# Altium PCB 400118.PcbDoc (part 2 of 3) (continued)
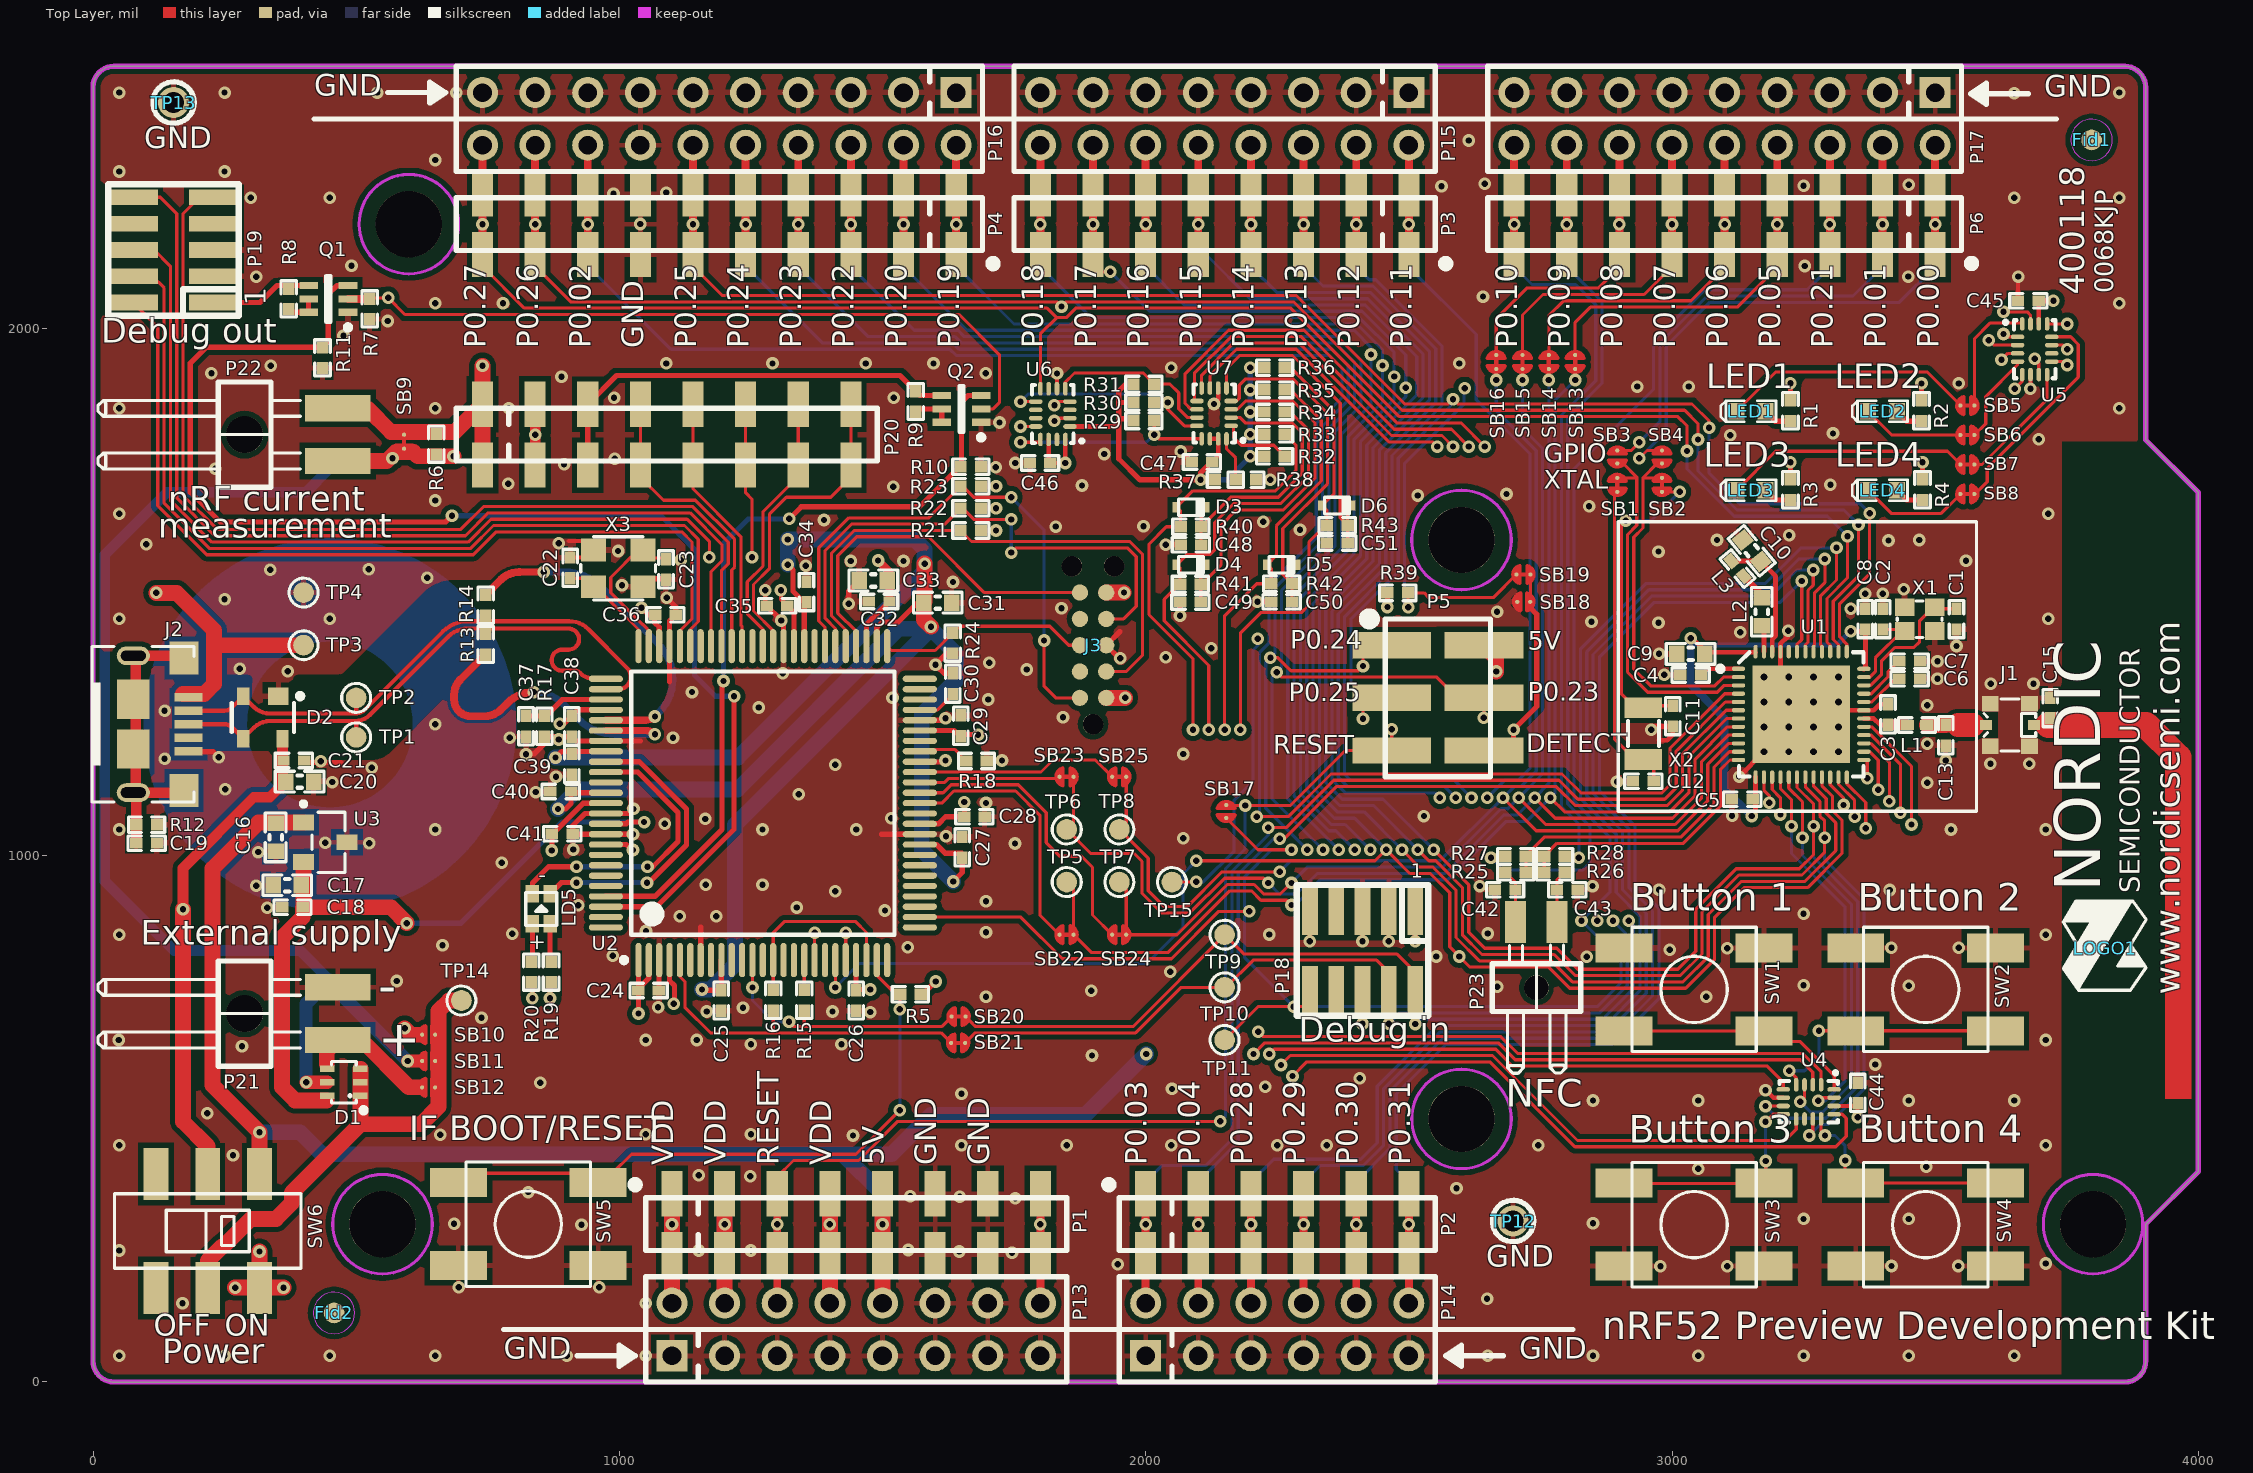
[diagram p0: Top Layer view]
## Nets (pads, with @x,y where several pads share a name; then routed paths per layer and width w, separated by ;. In a path a pad name is that pad's centre, name@x,y a point inside that pad or via, vN(x,y) a via of type N, cw(c..) or ccw(c..) an arc to the next point about the centre after c; other vN are vias at no path point) (continued)
NetC37_2: C37.2 R17.2 U2.78 | length 161.7
  Top Layer w10: C37.2@825.14,1264.75 860.14,1264.75 891.31,1295.92 U2.78@973.91,1295.92
NetD1_1: D1.1 D1.2 D1.3 SB10.1 SB11.1 SB12.1 SW6.2 TP14.1 | length 961.6
  Top Layer w30: SW6.2@217.54,177.8 217.54,229.46 245.05,256.97 247.44,256.97 299.54,309.06 346.97,309.06 377.12,339.22 377.12,358.65 507.54,489.06 ; D1.3@507.54,594.25 D1.2@507.54,568.66 D1.1@507.54,543.07 507.54,489.06 ; TP14.1@699.54,724.06 675.74,724.06 655.74,704.06 655.74,522.26 622.54,489.06 507.54,489.06
NetD1_4: D1.4 P21.2 SB12.2 | length 245.5
  Top Layer w30: 443.54,603.06 443.54,628.06 P21.2@464.54,649.06 509.54,649.06 599.54,559.06 618.07,559.06
NetD3_1: D3.1 R33.1 R40.2 U4.1 | length 2593.1
  Top Layer w6: v1(2089.54,1238.46) 2089.54,1373.54 2005.84,1457.24 2005.84,1591.24 2038.83,1624.23 2065.83,1624.23 2065.84,1653.59 D3.1@2058.19,1661.24 2089.19,1692.24 2246.16,1692.24 2285.16,1731.24 2285.16,1779.09 R33.1@2264.16,1800.09 ; v1(2213.54,664.46) 2222.54,655.46 2674.48,655.46 2706.48,623.46 3248.23,623.46 3282.82,588.87 U4.1@3282.82,563.95
  Mid-Layer 2 w6: v1(2089.54,1238.46) 2116.54,1211.46 2116.54,864.32 2222.54,758.32 2222.54,673.46 v1(2213.54,664.46)
NetD4_1: D4.1 R34.1 R41.2 U4.5 | length 2544.7
  Top Layer w6: R41.2@2064.29,1515.54 2034.84,1486.09 2034.84,1445.24 2119.54,1360.54 v1(2119.54,1238.46) ; R41.2@2064.93,1515.24 2064.93,1545.59 D4.1@2058.28,1552.24 2077.28,1571.24 2121.84,1571.24 2130.84,1580.24 2130.84,1632.24 2166.84,1668.24 2256.36,1668.24 2309.16,1721.03 2309.16,1807.42 2274.49,1842.09 R34.1@2264.16,1842.09 ; v1(2234.54,622.46) 2243.54,631.46 2664.54,631.46 2696.54,599.46 3180.55,599.46 3210.97,569.05 U4.5@3210.97,555.09
  Mid-Layer 2 w6: v1(2119.54,1238.46) 2128.54,1229.46 2128.54,869.29 2234.54,763.29 v1(2234.54,622.46)
NetD5_1: D5.1 R35.1 R42.2 U4.9 | length 2550.3
  Top Layer w6: v1(2149.54,1238.46) 2149.54,1455.16 2210.31,1515.93 R42.2@2238.16,1515.93 2238.16,1544.36 D5.1@2230.28,1552.24 2247.84,1569.8 2247.84,1625.78 2333.16,1711.09 2333.16,1826.21 2275.28,1884.09 R35.1@2264.16,1884.09 ; v1(2256.54,601.46) 2274.54,619.46 2658.54,619.46 2819.9,458.1 3214.55,458.1 3235.58,479.12 U4.9@3235.58,498.98
  Mid-Layer 2 w6: v1(2149.54,1238.46) 2140.54,1229.46 2140.54,874.26 2246.54,768.26 2246.54,640.29 2256.54,630.29 v1(2256.54,601.46)
NetD6_1: D6.1 R36.1 R43.2 U4.13 | length 2776.6
  Top Layer w6: v1(2179.54,1238.46) 2179.54,1422.16 2218.31,1460.93 2295.31,1460.93 2309.84,1475.46 2309.84,1595.46 R43.2@2340.84,1626.46 ; R36.1@2264.16,1926.09 2275.28,1926.09 2357.16,1844.21 2357.16,1686.34 D6.1@2335.28,1664.46 2343.93,1655.82 R43.2@2343.93,1627.16 ; v1(2278.54,580.46) 2305.54,607.46 2653.56,607.46 2814.93,446.1 3310.55,446.1 3330.55,466.1 3330.55,500.1 3322.8,507.84 U4.13@3307.43,507.84
  Mid-Layer 2 w6: v1(2179.54,1238.46) 2152.54,1211.46 2152.54,879.23 2258.54,773.23 2258.54,645.26 2278.54,625.26 v1(2278.54,580.46)
NetL2_1: L2.1 L3.2 | length 55.2
  Top Layer w11: L3.2@3136.05,1530.3 3170,1496.34 L2.1@3170,1489.2
NetL2_2: L2.2 U1.47 | length 42.4
  Top Layer w9: U1.47@3174.13,1386.72 L2.2@3174.13,1429.16
NetLD5_1: LD5.1 R20.1 | length 71.8
  Top Layer w10: R20.1@834.41,797.75 LD5.1@834.41,869.52
NetLD5_2: LD5.2 R19.1 | length 71.8
  Top Layer w10: R19.1@867.87,797.75 LD5.2@867.87,869.52
NetLED1_1: LED1.1 SB5.2 | length 483.5
  Top Layer w6: LED1.1@3122.04,1843.46 3197.04,1918.46 3483.94,1918.46 SB5.2@3547.94,1854.46
NetLED1_2: LED1.2 R1.1 | length 55.2
  Top Layer w10: LED1.2@3177.04,1843.46 3195.73,1824.77 R1.1@3224.54,1824.77
NetLED2_1: LED2.1 SB6.2 | length 194.3
  Top Layer w6: LED2.1@3371.79,1843.46 3416.79,1798.46 SB6.2@3547.44,1798.46
NetLED2_2: LED2.2 R2.1 | length 54
  Top Layer w10: LED2.2@3426.79,1843.46 3445.47,1824.78 R2.1@3473.04,1824.78
NetLED3_1: LED3.1 SB7.2 | length 467.6
  Top Layer w6: LED3.1@3121.29,1692.46 3196.29,1767.46 3522.44,1767.46 ; 3522.94,1767.46 SB7.2@3547.94,1742.46
NetLED3_2: LED3.2 R3.1 | length 55
  Top Layer w10: LED3.2@3176.79,1693.46 3195.47,1674.78 R3.1@3224.04,1674.78
NetLED4_1: LED4.1 SB8.2 | length 208.9
  Top Layer w6: LED4.1@3372.04,1693.46 3416.04,1649.46 3510.44,1649.46 ; 3510.94,1649.46 SB8.2@3547.94,1686.46
NetLED4_2: LED4.2 R4.1 | length 55.7
  Top Layer w10: LED4.2@3427.04,1693.46 3445.72,1674.78 R4.1@3475.04,1674.78
NetP5_6: P5.6 P11.6 SB18.2 SB19.1 | length 396.7
  Top Layer w6: SB18.2@2730.54,1478.86 2730.54,1495.05 SB19.1@2730.54,1533.46
  Top Layer w10: P5.6@2698.54,1201.06 v1(2698.54,1238.46) 2742.54,1282.46 2742.54,1457.76 2731.54,1468.76 2731.54,1477.86 2735.14,1481.46
  Bottom Layer w10: P11.6@2698.54,1201.06 v1(2698.54,1238.46)
NetQ1_5: Q1.5 Q1.6 R8.2 | length 65.6
  Top Layer w10: R8.2@371.54,2037.38 377.44,2031.47 Q1.6@409.13,2031.47 Q1.5@409.13,2057.06
NetQ2_5: Q2.5 Q2.6 R9.2 | length 77.5
  Top Layer w10: R9.2@1562.54,1842.38 1568.22,1848.06 Q2.5@1612.13,1848.06 Q2.6@1612.13,1822.47
NetR18_2: R18.2 U2.43 | length 98.7
  Top Layer w6: U2.43@1570.37,1197.49 1573.94,1201.07 1636.46,1201.07 R18.2@1658.46,1179.07
NetR32_1: R32.1 U7.1 | length 135.8
  Top Layer w6: U7.1@2166.42,1816.09 2166.42,1794.13 2181.47,1779.09 2243.14,1779.09 R32.1@2264.16,1758.09 R32.1@2265.31,1758.09
NetR37_1: R37.1 R38.2 U7.16 | length 85.2
  Top Layer w6: U7.16@2153.09,1791.24 2153.09,1772.46 2170.53,1755.03 R37.1@2170.53,1713.24
NFC1: C42.1 P23.1 R25.1 | length 102.7
  Top Layer w6: R25.1@2682.85,968.46 2702.22,949.09 C42.1@2702.22,934.46 P23.1@2702.22,873.78
NFC2: C43.2 P23.2 R26.1 | length 100.9
  Top Layer w6: P23.2@2780.85,873.89 C43.2@2780.85,934.46 2780.85,953.09 R26.1@2796.22,968.46
OB_LED1: LD5.4 U2.84 | length 556.7
  Top Layer w10: LD5.4@867.87,926.61 889.33,948.07 v1(918.14,948.07) ; U2.84@973.91,1177.81 1037.4,1177.81 1127.14,1088.07 1127.14,1019.54 1055.67,948.07 v1(1052.14,948.07)
  Bottom Layer w10: v1(918.14,948.07) v1(1052.14,948.07)
OB_LED2: LD5.3 U2.85 | length 554.4
  Top Layer w10: LD5.3@834.41,926.61 834.41,947.33 865.14,978.07 v1(918.14,978.07) ; U2.85@973.91,1158.12 1034.46,1158.12 1111.14,1081.44 1111.14,1026.17 1063.04,978.07 v1(1053.14,978.07)
  Bottom Layer w10: v1(918.14,978.07) v1(1053.14,978.07)
P0.00: P6.1 P12.1 P17.2 SB4.2 | length 1202.7
  Top Layer w6: v1(2937.54,1754.46) 2952.14,1769.06 SB4.2@2980.54,1769.06
  Top Layer w15: P6.1@3499.54,2141.39 v1(3499.54,2199.07) P6.1@3499.54,2256.74 P17.2@3499.54,2349.07
  Bottom Layer w6: v1(2937.54,1754.46) 2988.54,1805.46 2988.54,1967.46 3071.54,2050.46 3431.54,2050.46 3499.54,2118.46 P12.1@3499.54,2141.39
  Bottom Layer w15: P12.1@3499.54,2141.39 v1(3499.54,2199.07) P12.1@3499.54,2256.74
P0.01: P6.2 P12.2 P17.4 SB3.2 | length 1081.9
  Top Layer w6: SB3.2@2895.54,1769.06 2922.14,1769.06 v1(2937.54,1784.46)
  Top Layer w15: P6.2@3399.54,2141.39 v1(3399.54,2199.07) P6.2@3399.54,2256.74 P17.4@3399.54,2349.07
  Bottom Layer w6: v1(2937.54,1784.46) 2976.54,1823.46 2976.54,1972.44 3066.56,2062.46 3343.54,2062.46 3399.54,2118.46 P12.2@3399.54,2141.39
  Bottom Layer w15: P12.2@3399.54,2141.39 v1(3399.54,2199.07) P12.2@3399.54,2256.74
P0.02: P4.8 P10.8 P16.16 U1.4 | length 3882.3
  Top Layer w6: v1(2210.54,1073.46) 2270.66,1073.46 2351.66,1154.46 2790.54,1154.46 2826.54,1118.46 2980.54,1118.46 2995.54,1133.46 2995.54,1202.77 3099.76,1306.99 U1.4@3125.91,1306.99
  Top Layer w15: P4.8@939.54,2141.39 v1(939.54,2199.07) P4.8@939.54,2256.74 P16.16@939.54,2349.06
  Bottom Layer w6: P10.8@939.54,2141.39 939.54,2119.46 1097.53,1961.46 1627.59,1961.46 1639.59,1949.46 2348.62,1949.46 2372.54,1925.55 2372.54,1869.54 2323.54,1820.54 2323.54,1603.11 2233.54,1513.11 2233.54,1402.46 2215.54,1384.46 2215.54,1078.46 v1(2210.54,1073.46)
  Bottom Layer w15: P10.8@939.54,2119.06 v1(939.54,2199.07) P10.8@939.54,2256.74
P0.03: P2.1 P8.1 P14.2 U1.5 | length 2226.9
  Top Layer w6: v1(2232.54,1052.46) 2266.63,1052.46 2356.63,1142.46 2784.76,1142.46 2820.76,1106.46 2985.54,1106.46 3007.54,1128.46 3007.54,1197.77 3101.02,1291.25 U1.5@3125.91,1291.25
  Top Layer w15: P14.2@1999.54,149.06 P2.1@1999.54,241.39 v1(1999.54,299.07) P2.1@1999.54,356.74
  Bottom Layer w6: P8.1@1999.54,380.07 2029.76,410.29 2113.36,410.29 2163.54,460.46 2163.54,969.46 2232.54,1038.46 v1(2232.54,1052.46)
  Bottom Layer w15: P8.1@1999.54,241.39 v1(1999.54,299.07) P8.1@1999.54,380.07
P0.04: P2.2 P8.2 P14.4 U1.6 | length 2111.9
  Top Layer w6: v1(2254.54,1031.46) 2262.6,1031.46 2361.6,1130.46 2779.76,1130.46 2815.76,1094.46 2990.54,1094.46 3019.54,1123.46 3019.54,1192.77 3102.27,1275.5 U1.6@3125.91,1275.5
  Top Layer w15: P14.4@2099.54,149.06 P2.2@2099.54,241.39 v1(2099.54,299.07) P2.2@2099.54,356.74
  Bottom Layer w6: P8.2@2099.54,356.74 2099.54,379.46 2175.54,455.46 2175.54,964.49 2242.51,1031.46 v1(2254.54,1031.46)
  Bottom Layer w15: P8.2@2099.54,241.39 v1(2099.54,299.07) P8.2@2099.54,356.74
P0.05: SB13.2 SB22.1 TP5.1 U1.7 | length 2467.4
  Top Layer w6: TP5.1@1862.54,936.06 SB22.1@1862.54,849.06 1896.14,815.46 2042.54,815.46 2159.47,932.4 2200.6,932.4 2218.54,914.46 2267.54,914.46 v1(2276.54,905.46) ; v1(2768.54,1109.46) 2795.54,1082.46 2995.54,1082.46 3031.54,1118.46 3031.54,1187.65 3103.64,1259.75 U1.7@3125.91,1259.75 ; v1(2815.54,1902.86) SB13.2@2815.54,1923.86
  Bottom Layer w6: v1(2276.54,905.46) 2283.54,905.46 2331.54,953.46 2573.54,953.46 2684.54,1064.46 2723.54,1064.46 v1(2768.54,1109.46) 2777.54,1118.46 2777.54,1864.86 v1(2815.54,1902.86)
P0.05_C: P6.4 P12.4 P17.8 SB13.1 | length 826.8
  Top Layer w6: SB13.1@2815.54,1950.46 2815.54,2012.46 2844.54,2041.46 3123.54,2041.46 3199.54,2117.46 P6.4@3199.54,2141.39
  Top Layer w15: P6.4@3199.54,2151.06 v1(3199.54,2199.07) P6.4@3199.54,2256.74 P17.8@3199.54,2349.07
  Bottom Layer w15: P12.4@3199.54,2141.39 v1(3199.54,2199.07) P12.4@3199.54,2256.74
P0.06: SB14.2 SB23.1 TP6.1 U1.8 | length 2534.5
  Top Layer w6: TP6.1@1849.54,1049.06 1895.14,1003.46 1977.54,1003.46 1992.54,988.46 1992.54,927.49 2029.56,890.46 2083.51,890.46 2149.51,956.46 2223.54,956.46 v1(2232.54,947.46) ; TP6.1@1862.54,1062.06 SB23.1@1862.54,1149.06 ; v1(2738.54,1109.46) 2777.54,1070.46 3000.54,1070.46 3043.54,1113.46 3043.54,1182.68 3104.86,1244 U1.8@3125.91,1244 ; v1(2765.54,1902.86) SB14.2@2765.54,1923.86
  Bottom Layer w6: v1(2232.54,947.46) 2253.54,926.46 2286.21,926.46 2325.21,965.46 2568.56,965.46 2679.56,1076.46 2705.54,1076.46 v1(2738.54,1109.46) 2765.54,1136.46 v1(2765.54,1902.86)
P0.06_C: P6.5 P12.5 P17.10 SB14.1 | length 794.1
  Top Layer w6: SB14.1@2765.54,1950.46 2765.54,2025.46 2793.54,2053.46 3035.54,2053.46 3099.54,2117.46 P6.5@3099.54,2141.39
  Top Layer w15: P6.5@3099.54,2141.39 v1(3099.54,2199.07) P6.5@3099.54,2256.74 P17.10@3099.54,2349.07
  Bottom Layer w15: P12.5@3099.54,2141.39 v1(3099.54,2199.07) P12.5@3099.54,2256.74
P0.07: SB15.2 SB24.1 TP7.1 U1.9 | length 2353.9
  Top Layer w6: TP7.1@1962.54,936.06 SB24.1@1962.54,849.06 2059.14,849.06 2154.49,944.42 2205.58,944.42 2223.54,926.46 2255.54,926.46 v1(2276.54,947.46) ; v1(2708.54,1109.46) 2759.54,1058.46 3005.54,1058.46 3055.54,1108.46 3055.54,1177.71 3106.08,1228.25 U1.9@3125.91,1228.25 ; v1(2715.54,1902.86) SB15.2@2715.54,1923.86
  Bottom Layer w6: v1(2276.54,947.46) 2306.54,977.46 2563.59,977.46 2674.63,1088.5 2687.54,1088.46 v1(2708.54,1109.46) 2753.54,1154.46 2753.54,1773.46 2715.54,1811.46 v1(2715.54,1902.86)
P0.07_C: P6.6 P12.6 P17.12 SB15.1 | length 736.4
  Top Layer w6: SB15.1@2715.54,1950.46 2715.54,2026.46 2754.54,2065.46 2946.54,2065.46 2999.54,2118.46 P6.6@2999.54,2141.39
  Top Layer w15: P6.6@2999.54,2149.06 v1(2999.54,2199.07) P6.6@2999.54,2256.74 P17.12@2999.54,2349.07
  Bottom Layer w15: P12.6@2999.54,2141.39 v1(2999.54,2199.07) P12.6@2999.54,2256.74
P0.08: SB16.2 SB25.1 TP8.1 U1.10 | length 2460.7
  Top Layer w6: TP8.1@1949.29,1049.31 TP8.1@1949.54,1049.06 2004.54,994.06 2004.54,932.46 2034.54,902.46 2078.54,902.46 2144.54,968.46 v1(2254.54,968.46) ; TP8.1@1962.54,1062.56 SB25.1@1962.54,1149.06 ; v1(2665.54,1902.86) SB16.2@2665.54,1923.86 ; v1(2678.54,1109.46) 2741.54,1046.46 3010.54,1046.46 3067.54,1103.46 3067.54,1172.74 3107.3,1212.51 U1.10@3125.91,1212.51
  Bottom Layer w6: v1(2254.54,968.46) 2275.54,989.46 2558.62,989.46 v1@2678.58,1109.42 ; v1(2665.54,1902.86) 2665.54,1844.46 2741.54,1768.46 2741.54,1159.79 2712.21,1130.46 2699.54,1130.46 v1(2678.54,1109.46)
P0.08_C: P6.7 P12.7 P17.14 SB16.1 | length 678.9
  Top Layer w6: SB16.1@2665.54,1950.46 2665.54,2019.46 2723.54,2077.46 2859.54,2077.46 2899.54,2117.46 P6.7@2899.54,2141.39
  Top Layer w15: P6.7@2899.54,2153.06 v1(2899.54,2199.07) P6.7@2899.54,2256.74 P17.14@2899.54,2349.07
  Bottom Layer w15: P12.7@2899.54,2141.39 v1(2899.54,2199.07) P12.7@2899.54,2256.74
P0.09: P6.8 P12.8 P17.16 R27.1 | length 1782.3
  Top Layer w6: v1(2655.54,995.46) R27.1@2683.38,995.46
  Top Layer w15: P6.8@2799.54,2141.39 v1(2799.54,2199.07) P6.8@2799.54,2256.74 P17.16@2799.54,2349.07
  Bottom Layer w6: v1(2655.54,995.46) 2679.28,971.72 2829.66,971.72 2843.54,985.6 2843.54,1055.46 2801.54,1097.46 2801.54,1831.48 2866.54,1896.49 2866.54,2051.46 2799.54,2118.46 P12.8@2799.54,2141.39
  Bottom Layer w15: P12.8@2799.54,2141.39 v1(2799.54,2199.07) P12.8@2799.54,2256.74
P0.09/NFC1: R25.2 R27.2 U1.11 | length 557.8
  Top Layer w6: R25.2@2722.22,968.46 2722.22,1000.15 2756.54,1034.46 3016.21,1034.46 3079.54,1097.79 3079.54,1167.77 3108.53,1196.76 U1.11@3125.91,1196.76
P0.10: P6.9 P12.9 P17.18 R28.1 | length 1668.5
  Top Layer w6: R28.1@2799.22,995.46 v1(2822.54,995.46)
  Top Layer w15: P6.9@2699.54,2141.39 v1(2699.54,2199.07) P6.9@2699.54,2256.74 P17.18@2699.54,2349.07
  Bottom Layer w6: 2789.54,1836.45 2789.54,1092.46 2822.54,1059.46 v1(2822.54,995.46) ; 2789.54,1836.46 2854.54,1901.46 2854.54,2046.29 2816.36,2084.46 2733.54,2084.46 P12.9@2699.54,2118.46 ; P12.9@2699.54,2118.46 P12.9@2699.54,2141.39 P12.9@2699.54,2118.46
  Bottom Layer w15: P12.9@2699.54,2141.39 v1(2699.54,2199.07) P12.9@2699.54,2256.74
P0.10/NFC2: R26.2 R28.2 U1.12 | length 515.7
  Top Layer w6: R26.2@2756.85,968.46 2756.85,998.46 2780.85,1022.46 3021.18,1022.46 3091.54,1092.82 3091.54,1162.8 3109.75,1181.01 U1.12@3125.91,1181.01
P0.11: P3.1 P9.1 P15.2 U1.14 | length 2146.5
  Top Layer w6: U1.14@3174.13,1148.53 3174.13,1123.73 3184.54,1113.33 v1(3184.54,1099.49)
  Top Layer w15: P3.1@2499.54,2141.39 v1(2499.54,2199.07) P3.1@2499.54,2256.74 P15.2@2499.54,2349.06
  Mid-Layer 2 w6: v1(2648.54,1109.46) 2705.54,1052.46 3163.56,1052.46 3184.54,1073.44 v1(3184.54,1099.49)
  Bottom Layer w6: P9.1@2499.54,2117.46 2627.54,1989.46 2627.54,1865.29 2729.54,1763.29 2729.54,1164.76 2707.24,1142.46 2681.54,1142.46 v1(2648.54,1109.46)
  Bottom Layer w15: P9.1@2499.54,2117.46 v1(2499.54,2199.07) P9.1@2499.54,2256.74
P0.12: P3.2 P9.2 P15.4 U1.15 | length 2475.6
  Top Layer w6: U1.15@3189.88,1148.53 3189.88,1124.99 3205.54,1109.33 v1(3205.54,1077.46)
  Top Layer w15: P3.2@2399.54,2141.39 v1(2399.54,2199.07) P3.2@2399.54,2256.74 P15.4@2399.54,2349.06
  Mid-Layer 2 w6: v1(2618.54,1109.46) 2687.54,1040.46 3168.54,1040.46 v1(3205.54,1077.46)
  Bottom Layer w6: v1(2618.54,1109.46) 2585.54,1142.46 2388.54,1142.46 2377.54,1153.46 2377.54,1453.46 2467.54,1543.46 2467.54,1759.63 2562.54,1854.63 2562.54,1967.41 2436.48,2093.46 2424.54,2093.46 P9.2@2399.54,2118.46 ; P9.2@2399.54,2118.46 P9.2@2399.54,2141.39 ; P9.2@2399.54,2118.46 P9.2@2399.54,2141.39 ; P9.2@2399.54,2118.46 P9.2@2399.54,2141.39
  Bottom Layer w15: P9.2@2399.54,2141.39 v1(2399.54,2199.07) P9.2@2399.54,2256.74
P0.13: P3.3 P9.3 P15.6 U1.16 U4.15 | length 3201.1
  Top Layer w6: U1.16@3205.63,1148.53 3205.63,1126.24 3226.54,1105.33 v1(3226.54,1055.46) ; v1(3277.54,533.46) 3283.41,539.34 U4.15@3307.43,539.34
  Top Layer w15: P3.3@2299.54,2141.39 v1(2299.54,2199.07) P3.3@2299.54,2256.74 P15.6@2299.54,2349.06
  Mid-Layer 2 w6: v1(2588.54,1109.46) 2669.54,1028.46 3199.54,1028.46 v1(3226.54,1055.46)
  Bottom Layer w6: P9.3@2299.54,2141.39 2299.54,2118.46 2336.54,2081.46 2431.51,2081.46 2550.54,1962.44 2550.54,1859.6 2455.54,1764.6 2455.54,1548.44 2365.54,1458.44 2365.54,1148.46 2383.54,1130.46 2567.54,1130.46 v1(2588.54,1109.46) ; v1(3226.54,1055.46) 3226.54,1003.29 3328.54,901.29 3328.54,571.46 3290.54,533.46 v1(3277.54,533.46)
  Bottom Layer w15: P9.3@2299.54,2141.39 v1(2299.54,2199.07) P9.3@2299.54,2256.74
P0.14: P3.4 P9.4 P15.8 U1.17 U4.3 | length 3390.8
  Top Layer w6: U1.17@3221.38,1148.53 3221.38,1127.49 3247.54,1101.33 v1(3247.54,1033.46) ; v1(3243.2,531.47) 3251.32,539.59 U4.3@3251.32,563.95
  Top Layer w15: P3.4@2199.54,2141.39 v1(2199.54,2199.07) P3.4@2199.54,2256.74 P15.8@2199.54,2349.06
  Mid-Layer 2 w6: v1(2558.54,1109.46) 2651.54,1016.46 3230.54,1016.46 v1(3247.54,1033.46)
  Bottom Layer w6: P9.4@2199.54,2141.39 2199.54,2118.46 2248.54,2069.46 2426.54,2069.46 2538.54,1957.46 2538.54,1864.57 2443.54,1769.57 2443.54,1553.41 2353.54,1463.41 2353.54,1143.46 2378.54,1118.46 2549.54,1118.46 v1(2558.54,1109.46) ; v1(3243.2,531.47) 3262.2,512.46 3286.54,512.46 3340.54,566.46 3340.54,906.59 3247.54,999.59 v1(3247.54,1033.46)
  Bottom Layer w15: P9.4@2199.54,2141.39 v1(2199.54,2199.07) P9.4@2199.54,2256.74
P0.15: P3.5 P9.5 P15.10 U1.18 U4.7 | length 3915.6
  Top Layer w6: v1(2546.54,1010.46) 2613.29,943.71 2613.29,853.71 2643.54,823.46 2780.54,823.46 2820.54,783.46 3010.54,783.46 3044.54,817.46 3044.54,897.38 3121.62,974.46 3241.54,974.46 3268.54,1001.46 v1(3268.54,1055.46) 3268.54,1097.33 3237.13,1128.74 U1.18@3237.13,1148.53 ; v1@3177.32,523.59 U4.7@3210.97,523.59
  Top Layer w15: P3.5@2099.54,2141.39 v1(2099.54,2199.07) P3.5@2099.54,2256.74 P15.10@2099.54,2349.06
  Bottom Layer w6: P9.5@2099.54,2141.39 2114.2,2141.39 2198.12,2057.47 2421.56,2057.47 2526.54,1952.49 2526.54,1869.54 2431.54,1774.54 2431.54,1558.38 2341.54,1468.38 2341.54,1138.2 2373.27,1106.46 2450.54,1106.46 v1(2546.54,1010.46) ; v1(3177.2,523.47) 3200.2,500.46 3291.54,500.46 3352.54,561.46 3352.54,911.85 3268.54,995.85 v1(3268.54,1055.46)
  Bottom Layer w15: P9.5@2099.54,2141.39 v1(2099.54,2199.07) P9.5@2099.54,2256.74
P0.16: P3.6 P9.6 P15.12 U1.19 U4.11 | length 3970.5
  Top Layer w6: v1(2516.54,1010.46) 2537.54,989.46 2550.56,989.46 2601.29,938.74 2601.29,848.74 2638.56,811.46 2775.54,811.46 2815.54,771.46 3015.51,771.46 3056.54,812.49 3056.54,892.41 3126.59,962.46 3246.51,962.46 3289.54,1005.49 v1(3289.54,1033.46) 3289.54,1065.46 3280.54,1074.46 3280.54,1102.3 3252.87,1129.96 U1.19@3252.87,1148.53 ; v1(3260.2,467.46) 3267.07,474.34 U4.11@3267.07,498.98
  Top Layer w15: P3.6@1999.54,2141.39 v1(1999.54,2199.07) P3.6@1999.54,2256.74 P15.12@1999.54,2349.06
  Bottom Layer w6: P9.6@1999.54,2141.39 1999.54,2119.07 2073.14,2045.46 2416.59,2045.46 2514.54,1947.52 2514.54,1874.51 2419.54,1779.51 2419.54,1563.35 2329.54,1473.35 2329.54,1133.23 2368.3,1094.46 2432.54,1094.46 v1(2516.54,1010.46) ; v1(3260.2,467.46) 3281.2,488.46 3296.54,488.46 3364.54,556.46 3364.54,916.95 3289.54,991.95 v1(3289.54,1033.46)
  Bottom Layer w15: P9.6@1999.54,2141.39 v1(1999.54,2199.07) P9.6@1999.54,2256.74
P0.17: P3.7 P9.7 P15.14 U1.20 U5.15 U6.4 | length 5031.3
  Top Layer w6: v1(1826.16,1855.24) 1832.78,1861.86 U6.4@1855.64,1861.86 ; P3.7@1907.54,2108.46 v1(1932.54,2108.46) ; v1(2486.54,1010.46) 2519.54,977.46 2545.54,977.46 2589.24,933.76 2589.24,843.76 2633.58,799.42 2770.4,799.42 2810.36,759.46 3020.48,759.46 3068.54,807.52 3068.54,887.43 3131.56,950.46 3252.21,950.46 3310.54,1008.79 3310.54,1061.49 3292.54,1079.49 3292.54,1107.27 3268.62,1131.19 U1.20@3268.62,1148.53 ; v1(3629.48,2032.46) 3674.54,2032.46 3680.66,2026.34 U5.15@3680.66,2009.69
  Top Layer w15: P3.7@1899.54,2141.39 P3.7@1899.54,2256.74 P15.14@1899.54,2349.06
  Mid-Layer 2 w6: v1(1826.16,1855.24) 1932.54,1961.62 v1(1932.54,2108.46) ; v1(2493.54,1888.46) 2586.54,1981.46 3565.54,1981.46 3616.54,2032.46 v1(3629.48,2032.46)
  Bottom Layer w6: P9.7@1899.54,2141.39 1899.54,2117.46 1908.54,2108.46 v1(1932.54,2108.46) 2007.54,2033.46 2410.48,2033.46 2493.54,1950.41 v1(2493.54,1888.46) 2493.54,1871.31 2407.54,1785.31 2407.54,1568.32 2317.54,1478.32 2317.54,1128.26 2363.33,1082.46 2414.54,1082.46 v1(2486.54,1010.46)
  Bottom Layer w15: P9.7@1899.54,2141.39 v1(1899.54,2199.07) P9.7@1899.54,2256.74
P0.18: P3.8 P9.8 P15.16 P18.6 U1.21 U2.20 U5.3 | length 6562.9
  Top Layer w6: v1(1409.94,748.84) U2.20@1409.94,800.84 ; v1(2095.54,989.46) 2435.23,989.46 2456.23,1010.46 v1(2456.54,1010.46) 2501.54,965.46 2540.54,965.46 2577.24,928.76 2577.24,825.98 v1(2595.54,807.69) 2615.81,787.42 2765.43,787.42 2805.39,747.46 3025.45,747.46 3080.54,802.55 3080.54,882.46 3136.54,938.46 3257.18,938.46 3322.54,1003.82 3322.54,1066.46 3304.54,1084.46 3304.54,1112.24 3284.37,1132.41 U1.21@3284.37,1148.53 ; v1(2411.54,679.69) P18.6@2411.54,742.46 ; v1(3625.54,1941.46) 3637.66,1953.59 U5.3@3656.05,1953.59
  Top Layer w15: P3.8@1799.54,2141.39 v1(1799.54,2199.07) P3.8@1799.54,2256.74 P15.16@1799.54,2349.06
  Mid-Layer 2 w6: v1(2411.54,679.69) 2432.54,700.69 2558.76,700.69 2595.54,737.46 v1(2595.54,807.69) ; v1(2471.54,1909.46) 2555.54,1993.46 3560.54,1993.46 3620.61,2053.54 3658.52,2053.54 3676.54,2035.52 3676.54,1992.46 v1(3625.54,1941.46)
  Bottom Layer w6: v1(1409.94,748.84) 1455.57,794.46 2001.54,794.46 2070.54,863.46 2070.54,964.46 v1(2095.54,989.46) ; P9.8@1799.54,2141.39 1799.54,2118.07 1896.14,2021.46 2405.51,2021.46 2471.54,1955.44 v1(2471.54,1909.46) 2471.54,1866.28 2395.54,1790.28 2395.54,1573.29 2305.54,1483.29 2305.54,1123.29 2358.36,1070.46 2396.54,1070.46 v1(2456.54,1010.46)
  Bottom Layer w15: P9.8@1799.54,2141.39 v1(1799.54,2199.07) P9.8@1799.54,2256.74
P0.19: P4.1 P10.1 P16.2 U1.22 U5.7 | length 4880.3
  Top Layer w6: P4.1@1639.54,2119.23 P4.1@1639.54,2141.39 ; U1.22@3300.12,1148.53 3300.12,1133.63 3325.54,1108.21 v1(3325.54,1095.46) ; v1(3688.54,1943.46) 3696.41,1935.59 U5.7@3696.41,1913.24
  Top Layer w15: P4.1@1639.54,2141.39 v1(1639.54,2199.07) P4.1@1639.54,2256.74 P16.2@1639.54,2349.06
  Mid-Layer 2 w6: v1(2426.54,1010.46) 2516.54,920.46 2857.87,920.46 2941.87,1004.46 3309.54,1004.46 3325.54,1020.46 v1(3325.54,1095.46) ; v1(2449.54,1930.46) 2524.54,2005.46 3555.56,2005.46 3615.64,2065.54 3663.49,2065.54 3688.54,2040.49 v1(3688.54,1943.46)
  Bottom Layer w6: P10.1@1639.54,2141.39 1639.54,2119.23 1749.3,2009.46 2400.54,2009.46 2449.54,1960.46 v1(2449.54,1930.46) 2449.54,1861.25 2383.54,1795.25 2383.54,1578.26 2293.54,1488.26 2293.54,1117.29 2352.36,1058.46 2378.54,1058.46 v1(2426.54,1010.46)
  Bottom Layer w15: P10.1@1639.54,2141.39 v1(1639.54,2199.07) P10.1@1639.54,2256.74
P0.20: P4.2 P10.2 P16.4 U1.23 U5.11 | length 5044.7
  Top Layer w6: P4.2@1539.54,2118.07 P4.2@1539.54,2141.39 ; U1.23@3315.87,1148.53 3315.87,1134.85 3346.54,1104.18 v1(3346.54,1073.46) ; U5.11@3721.02,1969.34 3742.66,1969.34 v1(3750.54,1961.46)
  Top Layer w15: P4.2@1539.54,2141.39 v1(1539.54,2199.07) P4.2@1539.54,2256.74 P16.4@1539.54,2349.06
  Mid-Layer 2 w6: v1(2396.54,1010.46) 2498.54,908.46 2862.84,908.46 2946.84,992.46 3314.51,992.46 3346.54,1024.49 v1(3346.54,1073.46) ; v1(2427.54,1951.46) 2493.54,2017.46 3550.59,2017.46 3610.67,2077.54 3668.46,2077.54 3700.54,2045.46 3700.54,2011.46 v1(3750.54,1961.46)
  Bottom Layer w6: P10.2@1539.54,2141.39 1539.54,2118.07 1660.14,1997.46 2395.54,1997.46 2427.54,1965.46 v1(2427.54,1951.46) 2427.54,1856.22 2371.54,1800.22 2371.54,1583.23 2281.54,1493.23 2281.54,1112.32 2347.39,1046.46 2360.54,1046.46 v1(2396.54,1010.46)
  Bottom Layer w15: P10.2@1539.54,2141.39 v1(1539.54,2199.07) P10.2@1539.54,2256.74
P0.21: P6.3 P12.3 P17.6 P18.10 SB17.2 TP11.1 U1.24 U2.27 | length 4920.7
  Top Layer w6: U2.27@1570.37,882.53 1762.47,882.53 1841.54,803.46 2048.54,803.46 2138.54,893.46 v1(2196.54,893.46) ; TP11.1@2149.54,649.06 2212.94,712.46 v1(2280.54,712.46) P18.10@2312.54,712.46 ; SB17.2@2152.54,1070.86 2158.4,1065 2212.94,1010.46 v1(2276.54,1010.46) ; U1.24@3331.61,1148.53 3331.61,1136.08 3367.54,1100.15 v1(3367.54,1051.46)
  Top Layer w15: P6.3@3299.54,2141.39 v1(3299.54,2199.07) P6.3@3299.54,2256.74 P17.6@3299.54,2349.07
  Mid-Layer 2 w6: v1(2827.54,875.46) 2848.54,896.46 2867.84,896.46 2951.84,980.46 3319.54,980.46 3367.54,1028.46 v1(3367.54,1051.46)
  Bottom Layer w6: v1(2276.54,1010.46) 2238.54,1010.46 2187.54,959.46 2187.54,902.46 v1(2196.54,893.46) 2187.54,884.46 2187.54,805.46 v1(2280.54,712.46) 2857.56,712.46 2902.54,757.44 2902.54,800.46 v1(2827.54,875.46) 2881.54,929.46 2881.54,1034.46 2813.54,1102.46 2813.54,1734.78 2964.54,1885.78 2964.54,1977.51 3061.49,2074.46 3256.54,2074.46 3299.54,2117.46 P12.3@3299.54,2141.39
  Bottom Layer w15: P12.3@3299.54,2141.39 v1(3299.54,2199.07) P12.3@3299.54,2256.74